# Altium PCB 1166V31.PcbDoc (part 5 of 7) (continued)
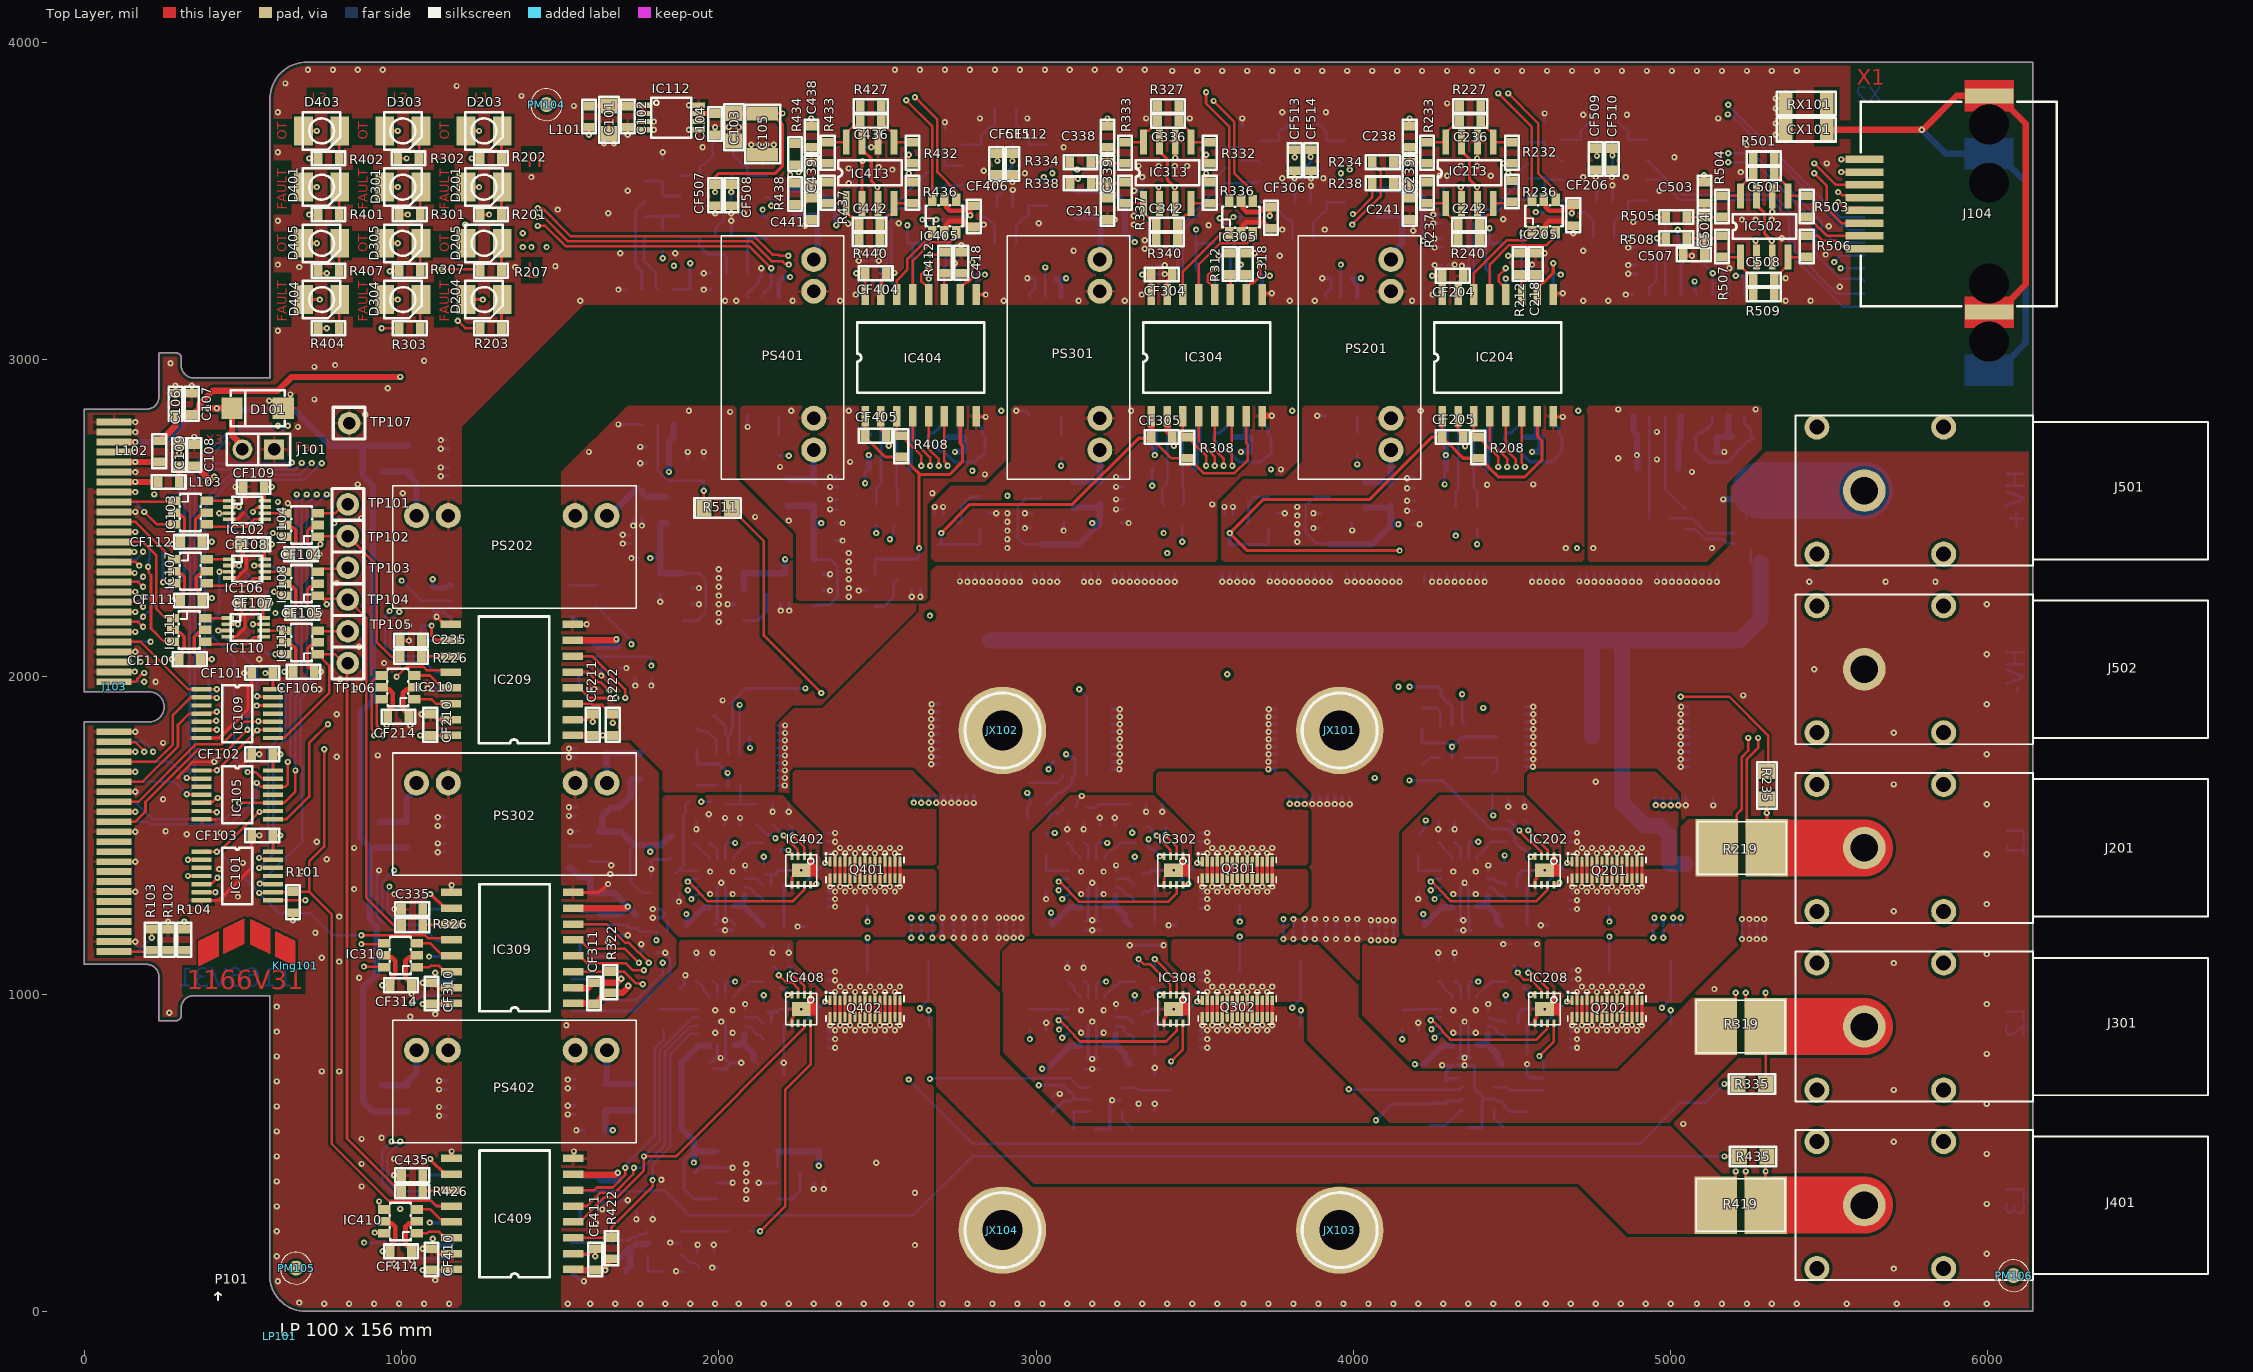
[diagram p0: Top Layer view]
## Nets (pads, with @x,y where several pads share a name; then routed paths per layer and width w, separated by ;. In a path a pad name is that pad's centre, name@x,y a point inside that pad or via, vN(x,y) a via of type N, cw(c..) or ccw(c..) an arc to the next point about the centre after c; other vN are vias at no path point) (continued)
NetC528_2: C528.2 IC505.5 R523.2 R524.1 | length 195.2
  Bottom Layer w8: R523.2@4822.83,3385.83 C528.2@4822.83,3433.07 4822.83,3437.01 4832.61,3446.79 4841.87,3446.79 4866.54,3471.46 IC505.5@4866.54,3500 R524.1@4924.02,3500
NetC529_1: C529.1 C530.2 R525.1 R526.2 | length 154.5
  Bottom Layer w8: R526.2@4551.18,3570.87 4598.43,3570.87 C530.2@4602.36,3574.8 ; C529.1@4602.36,3531.5 C530.2@4602.36,3574.8 ; R525.1@4657.48,3566.93 4610.24,3566.93 C530.2@4602.36,3574.8
NetC530_1: C530.1 C532.2 R529.1 R530.2 | length 156.1
  Bottom Layer w8: R530.2@4551.18,3685.04 C532.2@4602.36,3685.04 C530.1@4602.36,3641.73 4637.8,3641.73 4653.54,3625.98 R529.1@4657.48,3625.98
NetC531_1: C531.1 IC506.8 R527.1 R532.2 | length 196.4
  Bottom Layer w8: R532.2@2767.72,3484.25 IC506.8@2826.38,3484.25 2826.38,3455.71 2833.2,3448.88 2842.46,3448.88 2870.08,3421.26 C531.1@2870.08,3417.32 R527.1@2870.08,3370.08
NetC531_2: C531.2 IC506.5 R527.2 R531.1 | length 192.4
  Bottom Layer w8: R527.2@2937.01,3370.08 C531.2@2937.01,3417.32 2937.01,3421.26 2964.63,3448.88 2969.55,3448.88 2976.38,3455.71 IC506.5@2976.38,3484.25 R531.1@3035.43,3484.25
NetC533_1: C533.1 IC505.1 R529.2 R534.1 | length 196.4
  Bottom Layer w8: R529.2@4657.48,3692.91 IC505.1@4716.54,3692.91 4716.54,3721.46 4741.2,3746.13 4750.06,3746.13 4759.84,3755.91 C533.1@4759.84,3759.84 R534.1@4759.84,3807.09
NetC533_2: C533.2 IC505.4 R528.1 R534.2 | length 191.2
  Bottom Layer w8: R534.2@4826.77,3807.09 C533.2@4826.77,3759.84 4826.77,3755.91 4854.39,3728.28 4859.71,3728.28 4866.54,3721.46 IC505.4@4866.54,3692.91 R528.1@4924.02,3692.91
NetC534_1: C534.1 C535.2 R532.1 R533.2 | length 152.9
  Bottom Layer w8: R533.2@2661.42,3543.31 2708.66,3543.31 C535.2@2712.6,3547.24 ; C534.1@2712.6,3503.94 C535.2@2712.6,3547.24 ; R532.1@2767.72,3551.18 2763.78,3547.24 C535.2@2712.6,3547.24
NetC535_1: C535.1 C536.2 R536.1 R537.2 | length 151.2
  Bottom Layer w8: R537.2@2661.42,3657.48 C536.2@2712.6,3657.48 C535.1@2712.6,3614.17 2716.54,3610.24 R536.1@2767.72,3610.24
NetC537_1: C537.1 IC506.1 R536.2 R539.1 | length 196.4
  Bottom Layer w8: R536.2@2767.72,3677.17 IC506.1@2826.38,3677.17 2826.38,3705.71 2851.05,3730.38 2860.3,3730.38 2870.08,3740.16 C537.1@2870.08,3744.09 R539.1@2870.08,3791.34
NetC537_2: C537.2 IC506.4 R535.1 R539.2 | length 192.4
  Bottom Layer w8: R539.2@2937.01,3791.34 C537.2@2937.01,3744.09 2937.01,3740.16 2964.63,3712.54 2969.55,3712.54 2976.38,3705.71 IC506.4@2976.38,3677.17 R535.1@3035.43,3677.17
NetC538_1: C538.1 IC507.8 R538.1 R541.2 | length 196.4
  Bottom Layer w8: R541.2@3704.72,3496.06 IC507.8@3764.96,3496.06 3764.96,3467.52 3789.63,3442.85 3797.31,3442.85 3807.09,3433.07 C538.1@3807.09,3429.13 R538.1@3807.09,3381.89
NetC538_2: C538.2 IC507.5 R538.2 R540.1 | length 192.4
  Bottom Layer w8: R538.2@3874.02,3381.89 C538.2@3874.02,3429.13 3874.02,3433.07 3901.64,3460.69 3908.13,3460.69 3914.96,3467.52 IC507.5@3914.96,3496.06 R540.1@3972.44,3496.06
NetC539_1: C539.1 C540.2 R541.1 R542.2 | length 152.9
  Bottom Layer w8: R542.2@3598.43,3555.12 3645.67,3555.12 C540.2@3649.61,3559.06 ; C539.1@3649.61,3515.75 C540.2@3649.61,3559.06 ; R541.1@3704.72,3562.99 3700.79,3559.06 C540.2@3649.61,3559.06
NetC540_1: C540.1 C541.2 R544.1 R545.2 | length 151.2
  Bottom Layer w8: R545.2@3598.43,3669.29 C541.2@3649.61,3669.29 C540.1@3649.61,3625.98 3700.79,3625.98 R544.1@3704.72,3622.05
NetC542_1: C542.1 IC507.1 R544.2 R546.1 | length 200.3
  Bottom Layer w8: R544.2@3704.72,3688.98 IC507.1@3764.96,3688.98 3764.96,3717.52 3771.79,3724.35 3779.46,3724.35 3797.31,3742.19 3801.24,3742.19 3811.02,3751.97 C542.1@3811.02,3755.91 R546.1@3811.02,3803.15
NetC542_2: C542.2 IC507.4 R543.1 R546.2 | length 188.5
  Bottom Layer w8: R546.2@3877.95,3803.15 C542.2@3877.95,3755.91 3877.95,3751.97 3887.73,3742.19 3890.29,3742.19 3914.96,3717.52 IC507.4@3914.96,3688.98 R543.1@3972.44,3688.98
NetCF203_1: CF203.1 L202.1 PS201.7 | length 189
  Bottom Layer w20: L202.1@4035.43,2614.17 4037.24,2612.36 4115.98,2612.36 CF203.1@4118.11,2610.24 PS201.7@4118.11,2714.96
NetCF209_1: CF209.1 L204.1 PS202.7 | length 235.8
  Bottom Layer w20: PS202.7@1647.24,2507.87 1655.51,2507.87 1742.13,2594.49 CF209.1@1744.09,2594.49 1746.06,2594.49 1759.69,2580.87 1759.69,2578.9 1771.65,2566.93 L204.1@1834.65,2566.93
NetCF303_1: CF303.1 L302.1 PS301.7 | length 187.4
  Bottom Layer w20: L302.1@3118.11,2614.17 CF303.1@3200.79,2614.17 PS301.7@3200.79,2718.9
NetCF309_1: CF309.1 L304.1 PS302.7 | length 202.6
  Bottom Layer w20: PS302.7@1646.46,1664.57 PS302.7@1647.24,1665.35 1646.46,1666.14 1646.46,1759.06 CF309.1@1645.67,1759.84 L304.1@1751.97,1759.84
NetCF403_1: CF403.1 L402.1 PS401.7 | length 187.4
  Bottom Layer w20: L402.1@2216.54,2622.05 CF403.1@2299.21,2622.05 ; CF403.1@2299.21,2614.17 PS401.7@2299.21,2714.96 PS401.7@2299.21,2718.9
NetCF409_1: CF409.1 L404.1 PS402.7 | length 197.5
  Bottom Layer w20: CF409.1@1642.52,717.32 CF409.1@1641.73,716.54 L404.1@1732.28,716.54 ; CF409.1@1646.46,717.32 1646.46,822.05 PS402.7@1647.24,822.83
NetD201_2: D201.2 R201.1 | length 87.4
  Top Layer w8: R201.1@1314.96,3456.69 1314.96,3541.34 D201.2@1316.93,3543.31
NetD203_2: D203.2 R202.1 | length 87.4
  Top Layer w8: R202.1@1314.96,3633.86 1314.96,3718.5 D203.2@1316.93,3720.47
NetD204_2: D204.2 R203.1 | length 91.4
  Top Layer w8: R203.1@1314.96,3098.43 D204.2@1314.96,3187.01 ; D204.2@1316.93,3188.98 D204.2@1318.9,3187.01
NetD205_2: D205.2 R207.1 | length 87.4
  Top Layer w8: R207.1@1314.96,3279.53 1314.96,3364.17 D205.2@1316.93,3366.14
NetD301_2: D301.2 R301.1 | length 87.4
  Top Layer w8: R301.1@1059.06,3456.69 1059.06,3541.34 D301.2@1061.02,3543.31
NetD303_2: D303.2 R302.1 | length 89.1
  Top Layer w8: R302.1@1055.12,3633.86 1055.12,3714.57 D303.2@1061.02,3720.47
NetD304_2: D304.2 R303.1 | length 91.4
  Top Layer w8: R303.1@1059.06,3098.43 1059.06,3187.01 D304.2@1061.02,3188.98
NetD305_2: D305.2 R307.1 | length 87.4
  Top Layer w8: R307.1@1059.06,3279.53 1059.06,3364.17 D305.2@1061.02,3366.14
NetD401_2: D401.2 R401.1 | length 87.4
  Top Layer w8: R401.1@803.15,3456.69 803.15,3541.34 D401.2@805.12,3543.31
NetD403_2: D403.2 R402.1 | length 87.4
  Top Layer w8: R402.1@803.15,3633.86 803.15,3718.5 D403.2@805.12,3720.47
NetD404_2: D404.2 R404.1 | length 91.4
  Top Layer w8: R404.1@803.15,3098.43 803.15,3187.01 D404.2@805.12,3188.98
NetD405_2: D405.2 R407.1 | length 87.4
  Top Layer w8: R407.1@803.15,3279.53 803.15,3364.17 D405.2@805.12,3366.14
NetIC101_5: IC101.5 IC102.7 | length 1321.5
  Top Layer w8: IC101.5@398.74,1345.35 419.42,1366.03 v1(419.42,1366.14) ; v1(531.5,2519.69) 531.5,2520.73 544.29,2533.53 566.99,2533.53 IC102.7@568.9,2535.43
  Layer 3 w8: v1(419.42,1366.14) 403.35,1382.2 403.35,1399.8 361.95,1441.2 361.95,2175.92 511.81,2325.78 511.81,2358.27 531.5,2377.95 v1(531.5,2519.69)
NetIC101_13: IC101.13 IC102.3 | length 1300.8
  Top Layer w8: v1(425.2,2515.75) IC102.3@456.69,2515.75 ; v1(550.9,1428.8) 554.07,1428.8 556.75,1426.12 591.6,1426.12 IC101.13@594.49,1423.23
  Bottom Layer w8: v1(425.2,2515.75) 652.79,2288.16 652.79,1992.32 617.35,1956.89 617.35,1809.27 580.27,1772.19 580.27,1459 550.9,1429.64 v1(550.9,1428.8)
NetIC102_1: IC102.1 IC103.6 | length 71.2
  Top Layer w8: IC103.6@385.46,2555.12 IC102.1@456.69,2555.12
NetIC102_2: IC102.2 IC104.6 | length 217.9
  Top Layer w8: IC102.2@456.69,2535.43 v1(487.51,2535.43) ; v1(594.49,2452.76) 597.65,2452.76 600.16,2450.25 624.36,2450.25 IC104.6@633.86,2440.75
  Bottom Layer w8: v1(487.51,2535.43) 487.51,2532.78 567.54,2452.76 v1(594.49,2452.76)
NetIC102_5: IC102.5 IC103.4 | length 196.4
  Top Layer w8: IC103.4@385.46,2480.12 393.14,2472.44 511.81,2472.44 535.43,2496.06 IC102.5@568.9,2496.06
NetIC102_6: IC102.6 IC104.4 | length 65
  Top Layer w8: IC102.6@568.9,2515.75 IC104.4@633.86,2515.75
NetIC105_5: IC105.5 IC106.7 | length 905.2
  Top Layer w8: IC105.5@370.08,1602.36 372.97,1605.25 404.24,1605.25 417.1,1618.11 v1(420.26,1618.11) ; v1(535.43,2350.39) IC106.7@568.9,2350.39
  Layer 3 w8: v1(420.26,1618.11) 377.95,1660.42 377.95,2169.29 533.2,2324.54 533.2,2348.16 v1(535.43,2350.39)
NetIC105_13: IC105.13 IC106.3 | length 810.4
  Top Layer w8: v1(425.87,2330.71) IC106.3@456.69,2330.71 ; v1(514.58,1699.62) 539.93,1699.62 560.02,1679.53 594.09,1679.53 IC105.13@594.49,1679.13
  Bottom Layer w8: v1(425.87,2330.71) 425.87,2197.53 397.64,2169.29 397.64,2133.86 472.44,2059.06 472.44,1741.76 v1(514.58,1699.62)
NetIC106_1: IC106.1 IC107.6 | length 63.4
  Top Layer w8: IC107.6@385.46,2370.08 IC106.1@448.82,2370.08
NetIC106_2: IC106.2 IC108.6 | length 216.4
  Top Layer w8: IC106.2@456.69,2350.39 v1(487.51,2350.39) ; v1(598.43,2267.72) 601.59,2267.72 604.09,2265.21 624.36,2265.21 IC108.6@633.86,2255.71
  Bottom Layer w8: v1(487.51,2350.39) 570.19,2267.72 v1(598.43,2267.72)
NetIC106_5: IC106.5 IC107.4 | length 196.4
  Top Layer w8: IC107.4@385.46,2295.08 393.14,2287.4 511.81,2287.4 535.43,2311.02 IC106.5@568.9,2311.02
NetIC106_6: IC106.6 IC108.4 | length 72.8
  Top Layer w8: IC106.6@561.02,2330.71 IC106.6@568.9,2330.71 IC108.4@633.86,2330.71
NetIC109_5: IC109.5 IC110.7 | length 434.7
  Top Layer w8: IC109.5@370.08,1858.27 371.44,1859.63 414.75,1859.63 v1(416.11,1860.99) ; v1(531.5,2165.35) IC110.7@564.96,2165.35
  Layer 3 w8: v1(416.11,1860.99) 419.27,1860.99 426.33,1868.05 ; 426.37,1868.05 440.44,1882.12 440.44,2025.55 531.5,2116.6 v1(531.5,2165.35)
NetIC109_13: IC109.13 IC110.3 | length 339.9
  Top Layer w8: v1(421.94,2145.67) IC110.3@452.76,2145.67 ; v1(544.91,1938.61) 546.7,1936.82 592.7,1936.82 IC109.13@594.49,1935.04
  Bottom Layer w8: v1(421.94,2145.67) 543.31,2024.3 543.31,1940.21 v1(544.91,1938.61)
NetIC110_1: IC110.1 IC111.6 | length 67.3
  Top Layer w8: IC111.6@381.53,2185.04 IC110.1@448.82,2185.04
NetIC110_2: IC110.2 IC113.6 | length 220.3
  Top Layer w8: IC110.2@452.76,2165.35 v1(483.58,2165.35) ; v1(602.36,2070.87) 633.66,2070.87 IC113.6@633.86,2070.67
  Bottom Layer w8: v1(483.58,2165.35) 577.36,2071.57 601.66,2071.57 v1(602.36,2070.87)
NetIC110_5: IC110.5 IC111.4 | length 196.4
  Top Layer w8: IC111.4@381.53,2110.04 389.2,2102.36 511.81,2102.36 533.53,2124.08 563.06,2124.08 IC110.5@564.96,2125.98
NetIC110_6: IC110.6 IC113.4 | length 72.8
  Top Layer w8: IC110.6@561.02,2145.67 IC110.6@564.96,2145.67 IC113.4@633.86,2145.67
NetIC202_2: IC202.2 R206.1 | length 143.4
  Top Layer w8: v1(4550.94,1515.77) 4612.2,1454.5 IC202.2@4612.2,1435.04
  Bottom Layer w8: R206.1@4539.37,1547.24 4541.16,1547.24 4550.94,1537.46 v1(4550.94,1515.77)
NetIC202_3: IC202.3 R205.1 | length 161.4
  Top Layer w8: v1(4523.26,1515.62) 4523.26,1512.56 4557.66,1478.16 4563.24,1478.16 4591.6,1449.8 4591.6,1435.96 IC202.3@4592.52,1435.04
  Bottom Layer w8: R205.1@4488.19,1547.24 4492.13,1547.24 4509.65,1529.72 4509.65,1528.49 4522.53,1515.62 v1(4523.26,1515.62)
NetIC202_7: IC202.7 IC204.4 IC206.3 | length 2096.9
  Top Layer w8: v1(4244.09,1354.46) 4247.26,1354.46 4253.1,1348.61 ; 4253.14,1348.61 4289.08,1312.68 4289.08,1309.95 4305.91,1293.12 4576.58,1293.12 4611.28,1327.82 4611.28,1343.57 IC202.7@4612.2,1344.49 ; IC204.4@4429.92,2820.87 4429.92,2742.31 4484.5,2687.73 v1(4484.5,2661.42)
  Layer 2 w8: v1@4482.27,2659.18 v1(4484.5,2661.42)
  Layer 3 w8: v1(4244.09,1354.46) 4190.5,1408.05 4190.5,1578.28 4472.82,1860.59 4472.82,2637.8 4482.27,2647.24 4482.27,2659.18 v1(4484.5,2661.42)
  Bottom Layer w8: v1(4244.09,1354.46) 4245.45,1354.46 4254.18,1363.19 IC206.3@4275.59,1363.19
NetIC202_8: IC202.8 R245.2 | length 400.5
  Top Layer w8: IC202.8@4631.89,1344.49 4631.89,1347.24 4632.81,1348.16 4647.37,1348.16 v1(4649.61,1350.39)
  Layer 3 w8: v1(4440.94,1562.99) 4531.5,1472.44 4550.57,1472.44 4615.84,1407.18 4649.61,1373.41 v1(4649.61,1350.39)
  Bottom Layer w8: R245.2@4437.01,1629.92 4437.01,1570.09 4440.94,1566.15 v1(4440.94,1562.99)
NetIC204_3: IC204.3 IC206.1 R208.2 | length 1745.3
  Top Layer w8: IC204.3@4379.92,2820.87 4379.92,2765.75 4389.76,2755.91 R208.2@4393.7,2755.91 4397.64,2755.91 4407.42,2746.13 4407.42,2742.19 4456.82,2692.79 v1(4456.82,2661.42)
  Layer 2 w8: v1@4253.75,1301.37 v1(4255.91,1299.21)
  Layer 3 w8: v1@4253.75,1301.37 4234.06,1301.37 4174.5,1360.93 4174.5,1584.91 4456.82,1867.22 v1(4456.82,2661.42)
  Bottom Layer w8: v1(4255.91,1299.21) 4256.89,1299.21 4269.69,1312.01 IC206.1@4275.59,1312.01
NetIC204_5: IC204.5 IC206.2 | length 1705.6
  Top Layer w8: IC204.5@4479.92,2820.87 4479.92,2716.93 4512.19,2684.66 v1(4512.19,2661.42)
  Layer 3 w8: v1(4244.09,1326.77) 4247.26,1326.77 4253.1,1332.61 ; 4253.14,1332.61 4265.94,1345.41 4265.94,1363.5 4206.5,1422.94 4206.5,1571.65 4488.82,1853.97 4488.82,2629.92 4506.35,2647.45 4506.35,2652.41 4512.19,2658.26 v1(4512.19,2661.42)
  Bottom Layer w8: v1(4244.09,1326.77) 4247.26,1326.77 4256.18,1335.69 4273.69,1335.69 IC206.2@4275.59,1337.6
NetIC204_6: IC204.6 R211.2 | length 1462.3
  Top Layer w8: IC204.6@4529.92,2820.87 4529.92,2674.53 4539.87,2664.58 v1(4539.87,2661.42)
  Layer 3 w8: v1(4228.35,1547.24) 4228.35,1570.87 4504.82,1847.34 4504.82,2623.29 4504.96,2623.29 4534.03,2652.37 ; 4534.03,2652.41 4539.87,2658.26 v1(4539.87,2661.42)
  Bottom Layer w8: R211.2@4204.72,1503.94 4208.66,1503.94 4218.44,1513.72 4218.44,1517.65 4226.19,1525.4 4226.19,1545.09 v1(4228.35,1547.24)
NetIC204_13: IC204.13 IC205.3 | length 352.5
  Top Layer w8: IC204.13@4429.92,3204.72 4429.92,3300 4490.35,3360.42 4609.12,3360.42 4628.3,3379.6 4628.3,3392.07 IC205.3@4637.8,3401.57
NetIC204_14: IC204.14 IC205.1 | length 307.7
  Top Layer w8: IC204.14@4379.92,3204.72 4379.92,3272.63 4483.72,3376.42 4543.65,3376.42 4562.8,3395.57 IC205.1@4562.8,3401.57
NetIC206_5: IC206.5 R214.1 | length 71.8
  Bottom Layer w8: R214.1@4267.72,1476.38 4271.65,1476.38 4281.43,1466.6 4281.43,1461.68 4312.01,1431.1 IC206.5@4312.01,1425.2
NetIC206_6: IC206.6 R215.1 | length 61.2
  Bottom Layer w8: R215.1@4318.9,1476.38 4322.83,1476.38 4337.6,1461.61 IC206.6@4337.6,1425.2
NetIC206_10: IC206.10 R210.1 | length 65
  Bottom Layer w10: IC206.10@4426.1,1364.09 IC206.10@4425.2,1363.19 4426.1,1362.28 4444.8,1362.28 4456.69,1350.39 4472.44,1350.39 R210.1@4480.31,1342.52
NetIC206_11: IC206.11 R241.1 | length 76.8
  Bottom Layer w8: IC206.11@4425.2,1337.6 4427.1,1335.69 4439.03,1335.69 4451.01,1323.71 4451.01,1320.53 4462.55,1308.99 4470.54,1308.99 4480.32,1299.21 R241.1@4480.32,1295.28
NetIC208_2: IC208.2 R221.1 | length 124.7
  Top Layer w8: v1(4551.18,1066.93) 4553.42,1064.69 4565.23,1064.69 4612.2,1017.72 IC208.2@4612.2,998.03
  Bottom Layer w8: v1(4551.18,1066.93) R221.1@4551.18,1090.55
NetIC208_3: IC208.3 R220.1 | length 145.9
  Top Layer w8: v1(4518.16,1067.59) 4518.16,1064.51 4537.59,1045.09 4559.3,1045.09 4591.6,1012.79 4591.6,998.95 IC208.3@4592.52,998.03
  Bottom Layer w8: R220.1@4500,1090.55 4503.94,1090.55 4513.72,1080.77 4513.72,1075.2 4518.16,1070.75 v1(4518.16,1067.59)
NetIC208_7: IC208.7 IC209.4 IC211.3 | length 4721.8
  Top Layer w8: IC209.4@1539.37,1964.96 1560.04,1964.96 1591.93,1933.07 v1(1677.04,1933.07) ; v1(4244.09,917.45) 4247.26,917.45 4253.68,911.03 4255.04,911.03 4280.48,885.59 4280.48,881.55 4305.91,856.11 4576.58,856.11 4611.28,890.81 4611.28,906.56 IC208.7@4612.2,907.48
  Layer 2 w8: v1(1677.04,1933.07) v1@1679.28,1930.84 ; v1@4242.73,917.45 v1(4244.09,917.45)
  Layer 3 w8: v1(1677.04,1933.07) 1677.04,1896.16 1767.79,1805.41 1767.79,1613.98 1578.81,1425 1578.81,1060.08 1766.61,872.28 1766.61,722.15 1929.98,558.79 3897.76,558.79 4222.14,883.17 4222.14,895.97 4226.57,900.4 4226.57,901.29 v1@4242.73,917.45
  Bottom Layer w8: v1(4244.09,917.45) 4245.45,917.45 4254.18,926.18 IC211.3@4275.59,926.18
NetIC208_8: IC208.8 R251.2 | length 167.4
  Top Layer w8: v1(4586.51,804.62) 4631.89,850 IC208.8@4631.89,907.48
  Bottom Layer w8: v1(4586.51,804.62) 4586.51,801.47 4598.43,789.56 R251.2@4598.43,763.78
NetIC209_3: IC209.3 IC211.1 R222.2 | length 4258.6
  Top Layer w8: IC209.3@1539.37,1914.96 1598.1,1914.96 1601.83,1911.23 1632.08,1911.23 1661.42,1881.89 R222.2@1665.35,1881.89 v1(1665.35,1854.33)
  Layer 3 w8: v1(1665.35,1854.33) 1735.79,1783.9 1735.79,1627.23 1546.81,1438.26 1546.81,1046.83 1734.61,859.02 1734.61,708.9 1916.72,526.79 3911.01,526.79 4244.19,859.97 4253.67,859.97 v1(4255.91,862.2)
  Bottom Layer w8: v1(4255.91,862.2) 4256.89,862.2 4269.69,875 IC211.1@4275.59,875
NetIC209_5: IC209.5 IC211.2 | length 4324.9
  Top Layer w8: IC209.5@1539.37,2014.96 1588.01,2014.96 1620.87,1982.09 1628.14,1982.09 1653.54,1956.69 v1(1654.37,1956.69)
  Layer 2 w8: v1@1653.54,1955.87 v1(1654.37,1956.69)
  Layer 3 w8: v1@1653.54,1955.87 1653.54,1897.03 1751.79,1798.79 1751.79,1620.61 1562.81,1431.63 1562.81,1053.46 1750.61,865.65 1750.61,715.52 1923.35,542.79 3904.39,542.79 4240.41,878.81 4240.41,880.44 4245.99,886.02 v1(4245.99,889.19)
  Bottom Layer w8: v1(4245.99,889.19) 4246.68,889.19 4256.18,898.69 4273.69,898.69 IC211.2@4275.59,900.59
NetIC209_6: IC209.6 R225.2 | length 4222.7
  Top Layer w8: IC209.6@1539.37,2064.96 1599.79,2064.96 1704.72,1960.02 v1(1704.72,1933.07)
  Layer 2 w8: v1@1703.73,1932.08 v1(1704.72,1933.07) ; v1@4152.36,856.28 v1(4153.95,857.86)
  Layer 3 w8: v1(1704.72,1933.07) 1704.72,1891.11 1783.79,1812.04 1783.79,1607.35 1594.81,1418.38 1594.81,1066.71 1782.61,878.91 1782.61,728.78 1936.6,574.79 3891.13,574.79 4152.36,836.02 v1@4152.36,856.28
  Bottom Layer w8: R225.2@4153.54,885.83 4153.95,885.42 v1(4153.95,857.86)
NetIC209_13: IC209.13 IC210.3 | length 136.2
  Top Layer w8: IC210.3@1035.43,2003.94 IC210.3@1039.37,2003.94 1088.98,2003.94 1127.95,1964.96 IC209.13@1155.51,1964.96
NetIC209_14: IC209.14 IC210.1 | length 125.9
  Top Layer w8: IC210.1@1035.43,1928.94 IC210.1@1039.37,1928.94 1094.69,1928.94 1108.66,1914.96 IC209.14@1155.51,1914.96
NetIC211_5: IC211.5 R229.1 | length 71.8
  Bottom Layer w8: R229.1@4267.72,1039.37 4271.65,1039.37 4281.43,1029.59 4281.43,1024.67 4312.01,994.09 IC211.5@4312.01,988.19
NetIC211_6: IC211.6 R230.1 | length 61.2
  Bottom Layer w8: R230.1@4318.9,1039.37 4322.83,1039.37 4337.6,1024.61 IC211.6@4337.6,988.19
NetIC211_10: IC211.10 R224.1 | length 62
  Bottom Layer w8: IC211.10@4425.2,926.18 4427.1,924.28 4439.03,924.28 4447.4,915.9 4473.86,915.9 R224.1@4480.32,909.45
NetIC211_11: IC211.11 R242.1 | length 76.8
  Bottom Layer w8: IC211.11@4425.2,900.59 4427.1,898.69 4439.03,898.69 4451.01,886.7 4451.01,883.52 4462.55,871.98 4470.54,871.98 4480.32,862.2 R242.1@4480.32,858.27
NetIC212_6: IC212.6 R238.1 | length 4328.4
  Top Layer w8: v1(3998.45,3458.47) 4000.68,3460.71 4008.95,3460.71 4059.06,3510.82 R238.1@4059.06,3555.12
  Layer 2 w8: v1@957.94,2207 957.94,2664.97 1675.12,3382.14 2173.2,3382.14 2287.37,3496.31 3960.61,3496.31 v1(3998.45,3458.47)
  Bottom Layer w8: v1(962.29,2207) 962.29,2206.38 948.82,2192.91 948.82,2082.68 983.32,2048.17 1072.3,2048.17 1106.3,2014.17 IC212.6@1133.86,2014.17
NetIC212_7: IC212.7 R234.1 | length 4399.4
  Top Layer w8: v1(3996.06,3425.2) 4086.61,3515.75 4086.61,3590.55 4059.06,3618.11 R234.1@4059.06,3622.05
  Layer 2 w8: 984.13,2216.01 992.25,2207.89 v1(992.25,2204.72) ; 984.13,2216.05 973.94,2226.24 973.94,2658.34 1681.74,3366.14 2179.83,3366.14 2294,3480.31 3940.94,3480.31 v1(3996.06,3425.2)
  Bottom Layer w8: v1(992.25,2204.72) 990.9,2204.72 964.82,2178.64 964.82,2089.3 989.95,2064.17 IC212.7@1133.86,2064.17
NetIC214_1: IC214.1 R244.2 | length 55.1
  Bottom Layer w8: R244.2@4011.81,2767.72 IC214.1@4011.81,2822.83
NetIC215_3: IC215.3 R246.2 | length 65.3
  Bottom Layer w8: R246.2@4216.54,1724.41 4220.47,1724.41 4240.52,1744.46 IC215.3@4273.52,1744.46
NetIC215_4: IC215.4 R247.2 R248.2 | length 106.4
  Bottom Layer w8: R248.2@4216.54,1901.57 R247.2@4263.78,1901.57 4273.52,1891.83 IC215.4@4273.52,1846.46
NetIC215_6: IC215.6 R244.1 | length 993.8
  Layer 3 w8: v1(4011.81,2669.29) 4011.81,2641.73 4217.01,2436.54 4217.01,2070.39 v1(4342.52,1944.88)
  Bottom Layer w8: v1(4011.81,2669.29) R244.1@4011.81,2700.79 ; v1(4342.52,1944.88) 4342.52,1852.46 IC215.6@4348.52,1846.46
NetIC216_1: IC216.1 R250.2 | length 79.4
  Bottom Layer w10: IC216.1@1531.5,2288.98 1533.07,2287.4 R250.2@1610.24,2287.4
NetIC217_3: IC217.3 R252.2 | length 66.9
  Bottom Layer w8: IC217.3@4444.52,631.79 4444.52,606.66 4458.72,592.46 4462.66,592.46 4472.44,582.68 R252.2@4472.44,578.74
NetIC217_4: IC217.4 R253.2 R254.2 | length 121.1
  Bottom Layer w8: R253.2@4240.16,586.61 4291.34,586.61 4336.52,631.79 IC217.4@4342.52,631.79
NetIC217_6: IC217.6 R250.1 | length 4403.5
  Layer 3 w8: v1(1724.41,2102.36) 1686.82,2064.77 1686.82,1986.41 1726.57,1946.66 1726.57,1891.89 1799.79,1818.67 1799.79,1600.73 1610.81,1411.75 1610.81,1073.34 1798.61,885.53 1798.61,736.82 1944.65,590.79 3876.24,590.79 v1(3985.25,699.79)
  Bottom Layer w8: R250.1@1614.17,2220.47 1618.11,2220.47 1722.17,2116.41 1722.17,2104.6 v1(1724.41,2102.36) ; v1(3985.25,699.79) 3986.41,698.63 4334.36,698.63 IC217.6@4342.52,706.79
NetIC302_2: IC302.2 R306.1 | length 106.8
  Top Layer w8: v1@3403.61,1497.96 v1@3404.69,1496.89 ; v1(3408,1500.2) 3442.91,1465.28 IC302.2@3442.91,1435.04
  Bottom Layer w8: R306.1@3407.42,1525.65 3408,1525.07 v1(3408,1500.2)
NetIC302_3: IC302.3 R305.1 | length 128.9
  Top Layer w8: v1(3380.33,1499.29) 3380.33,1496.98 3422.31,1455 3422.31,1435.96 IC302.3@3423.23,1435.04
  Bottom Layer w8: R305.1@3346.46,1527.56 3354.33,1527.56 3366.78,1515.11 3366.78,1512.84 v1(3380.33,1499.29)
NetIC302_7: IC302.7 IC304.4 IC306.3 | length 2208.7
  Top Layer w8: v1(3070.87,1354.46) 3074.03,1354.46 3079.87,1348.61 ; 3079.91,1348.61 3106.3,1322.23 3106.3,1319.5 3134.46,1291.34 3417.32,1291.34 3442.91,1316.93 IC302.7@3442.91,1344.49 ; IC304.4@3512.6,2820.87 3512.6,2743.31 3563.24,2692.66 v1(3563.24,2665.35)
  Layer 2 w8: v1@3563.24,2662.19 v1(3563.24,2665.35)
  Layer 3 w8: v1(3070.87,1354.46) 3021.21,1404.11 3021.21,1578.28 3168.79,1725.85 3168.79,1904.75 3501.28,2237.24 3501.28,2599.7 3555.12,2653.54 3555.12,2654.07 3563.24,2662.19 v1(3563.24,2665.35)
  Bottom Layer w8: v1(3070.87,1354.46) 3072.22,1354.46 3080.95,1363.19 IC306.3@3102.36,1363.19
NetIC302_8: IC302.8 R345.2 | length 306.1
  Top Layer w8: IC302.8@3462.6,1344.49 3462.6,1344.81 3463.52,1345.73 3479.07,1345.73 v1(3480.32,1346.98)
  Layer 3 w8: v1(3303.15,1508) 3354.46,1456.69 3398.81,1456.69 3476.38,1379.13 3476.38,1350.91 v1(3480.32,1346.98)
  Bottom Layer w8: R345.2@3295.28,1531.5 3303.15,1523.62 v1(3303.15,1508)
NetIC304_3: IC304.3 IC306.1 R308.2 | length 1842.5
  Top Layer w8: IC304.3@3462.6,2820.87 3462.6,2765.75 3472.44,2755.91 R308.2@3476.38,2755.91 3480.32,2755.91 3490.09,2746.13 3490.09,2742.19 3535.56,2696.72 v1(3535.56,2665.35)
  Layer 2 w8: v1@3080.44,1301.45 v1(3082.68,1299.21)
  Layer 3 w8: v1@3080.44,1301.45 3064.69,1301.45 3005.21,1360.93 3005.21,1584.91 3152.79,1732.48 3152.79,1911.38 3485.28,2243.87 3485.28,2615.07 v1(3535.56,2665.35)
  Bottom Layer w8: v1(3082.68,1299.21) 3083.66,1299.21 3096.46,1312.01 IC306.1@3102.36,1312.01
NetIC304_5: IC304.5 IC306.2 | length 1805.1
  Top Layer w8: IC304.5@3562.6,2820.87 3562.6,2715.93 3590.93,2687.6 v1(3590.93,2665.35)
  Layer 3 w8: v1(3070.87,1326.77) 3074.03,1326.77 3079.87,1332.61 ; 3079.91,1332.61 3092.71,1345.41 3092.71,1363.5 3037.21,1419 3037.21,1571.65 3184.79,1719.23 3184.79,1898.12 3517.28,2230.61 3517.28,2588.5 3585.09,2656.31 ; 3585.09,2656.35 3590.93,2662.19 v1(3590.93,2665.35)
  Bottom Layer w8: v1(3070.87,1326.77) 3074.03,1326.77 3082.95,1335.69 3100.46,1335.69 IC306.2@3102.36,1337.6
NetIC304_6: IC304.6 R311.2 | length 1576.5
  Top Layer w8: IC304.6@3612.6,2820.87 3616.38,2817.09 3616.38,2667.59 v1(3618.61,2665.35)
  Layer 3 w8: v1(3059.06,1507.87) 3059.06,1570.87 3200.79,1712.6 3200.79,1891.5 3533.28,2223.98 3533.28,2576.81 3612.77,2656.31 ; 3612.77,2656.35 3618.61,2662.19 v1(3618.61,2665.35)
  Bottom Layer w8: R311.2@3031.5,1503.94 3035.43,1507.87 v1(3059.06,1507.87)
NetIC304_13: IC304.13 IC305.3 | length 313.6
  Top Layer w8: IC304.13@3512.6,3204.72 3512.6,3300 3578.74,3366.14 3664.14,3366.14 3673.67,3375.67 3673.67,3388.14 IC305.3@3683.17,3397.64
NetIC304_14: IC304.14 IC305.1 | length 268.1
  Top Layer w8: IC304.14@3462.6,3204.72 3462.6,3277.56 3582.68,3397.64 IC305.1@3608.17,3397.64
NetIC306_5: IC306.5 R314.1 | length 70.2
  Bottom Layer w8: R314.1@3098.43,1476.38 3102.36,1476.38 3112.14,1466.6 3112.14,1457.74 3138.78,1431.1 IC306.5@3138.78,1425.2
NetIC306_6: IC306.6 R315.1 | length 59.6
  Bottom Layer w8: R315.1@3149.61,1476.38 3153.54,1476.38 3164.37,1465.55 IC306.6@3164.37,1425.2
NetIC306_10: IC306.10 R310.1 | length 66
  Bottom Layer w8: IC306.10@3251.97,1363.19 3290.35,1363.19 3307.09,1346.46 R310.1@3307.09,1342.52
NetIC306_11: IC306.11 R341.1 | length 76.8
  Bottom Layer w8: IC306.11@3251.97,1337.6 3253.87,1335.69 3265.8,1335.69 3277.78,1323.71 3277.78,1320.53 3289.32,1308.99 3297.31,1308.99 3307.09,1299.21 R341.1@3307.09,1295.28
NetIC308_2: IC308.2 R321.1 | length 167.1
  Top Layer w8: v1(3374.02,1110.24) 3442.91,1041.34 IC308.2@3442.91,998.03 ; v1@3374.02,1114.17 v1@3375.98,1112.2
  Bottom Layer w8: R321.1@3374.02,1086.61 v1(3374.02,1110.24)
NetIC308_3: IC308.3 R320.1 | length 188.9
  Top Layer w8: v1(3322.83,1110.24) 3338.58,1094.49 3358.27,1094.49 3423.23,1029.53 IC308.3@3423.23,998.03
  Bottom Layer w8: R320.1@3322.83,1086.61 v1(3322.83,1110.24)
NetIC308_7: IC308.7 IC309.4 IC311.3 | length 2383.6
  Top Layer w8: IC309.4@1541.34,1120.47 1562.01,1120.47 1585.83,1096.65 1706.98,1096.65 1728.83,1074.8 v1(1763.78,1074.8) ; v1(3070.87,917.45) 3074.03,917.45 3079.87,911.61 ; 3079.91,911.61 3119.89,871.63 3119.89,868.91 3138.4,850.39 3409.45,850.39 3442.91,883.86 IC308.7@3442.91,907.48
  Layer 2 w8: v1@3070.39,917.45 v1(3070.87,917.45)
  Layer 3 w8: v1(1763.78,1074.8) 1766.94,1074.8 1772.78,1068.96 1775.96,1068.96 1798.13,1046.79 1798.13,1030.27 1900.61,927.78 1900.61,779.07 1986.9,692.79 2868.01,692.79 3041.19,865.97 3041.19,888.25 v1@3070.39,917.45
  Bottom Layer w8: v1(3070.87,917.45) 3072.22,917.45 3080.95,926.18 IC311.3@3102.36,926.18
NetIC308_8: IC308.8 R351.2 | length 159.2
  Top Layer w8: v1(3425.2,787.4) 3462.6,824.8 IC308.8@3462.6,907.48
  Bottom Layer w8: R351.2@3425.2,763.78 v1(3425.2,787.4)